# Altium PCB PCB1.PcbDoc (part 5 of 5)
Units mm, origin at the board's own origin, x right, y up, seen from the top; angles counter-clockwise.
Board outline 160 x 50 mm, 6 copper layers (Top Layer, Layer 1, Top Middle Layer, Bottom Middle Layer, Layer 2, Bottom Layer), stack 0.885 mm thick; 337 components, 281 nets, 1269 pads, 489 vias.
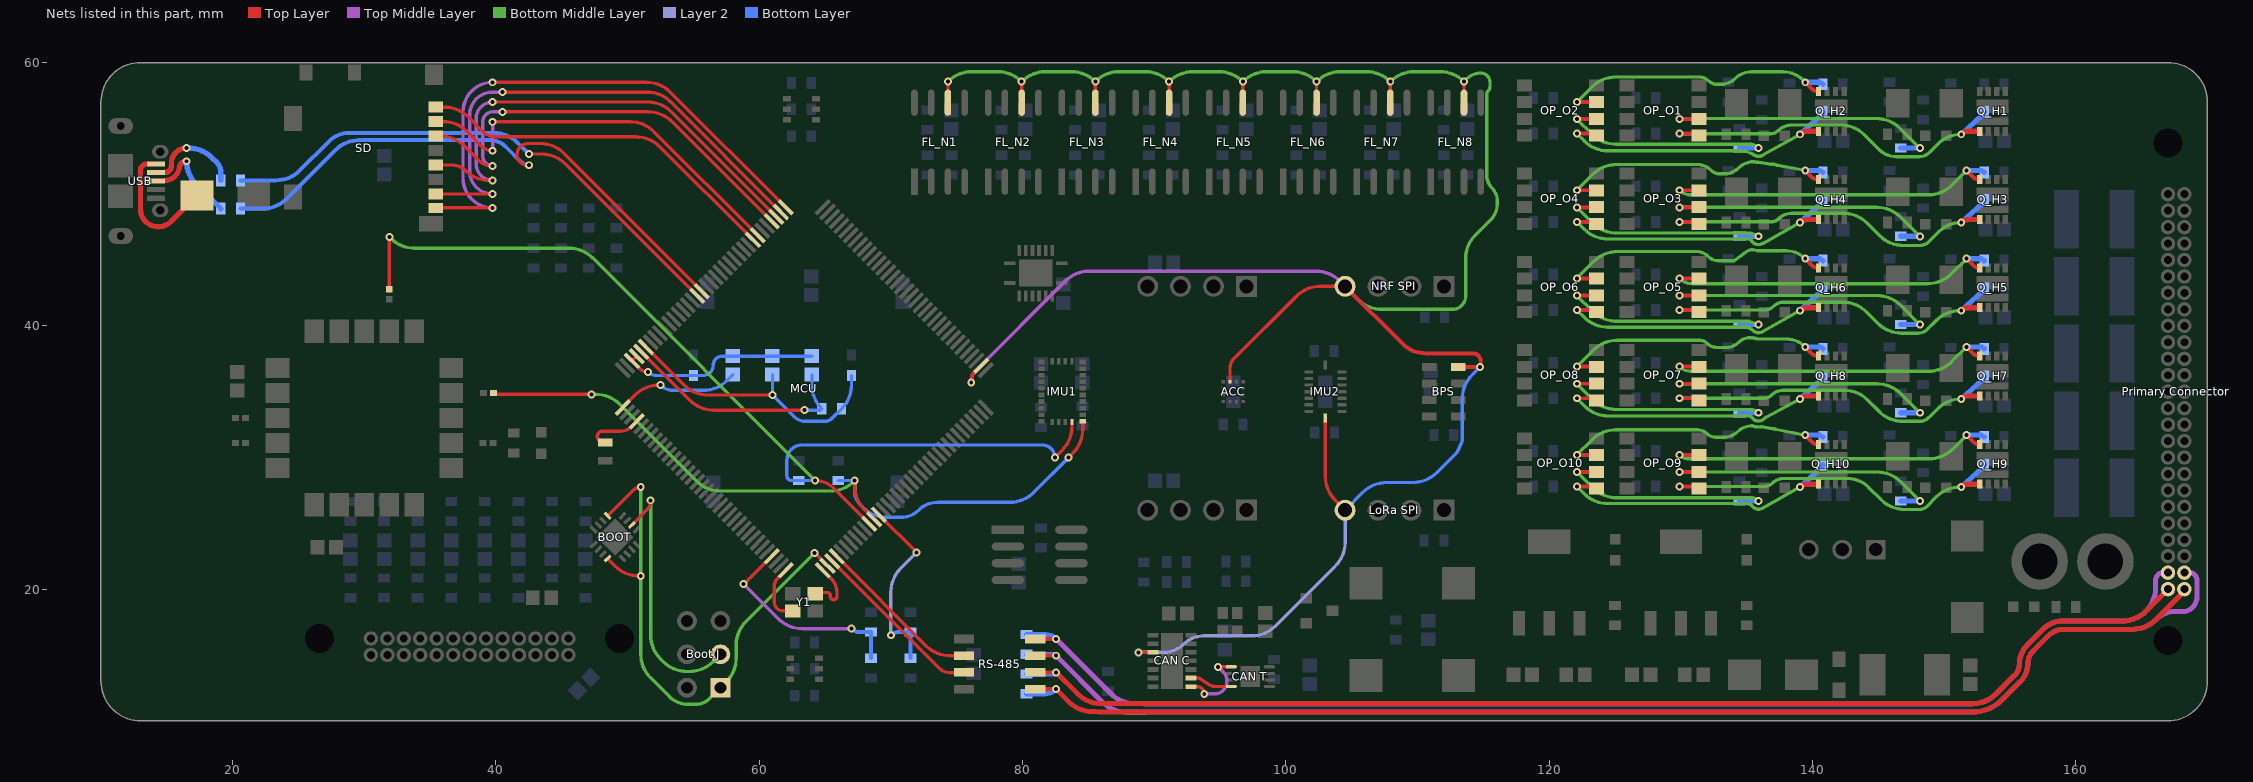
[diagram p9: the nets of this part, all layers, seen from the top]

## Via types
v1: diameter 0.6, hole 0.3, Top Layer to Bottom Layer, 440 vias
v2: diameter 1, hole 0.5, Top Layer to Bottom Layer, 25 vias
v3: diameter 0.8, hole 0.4, Top Layer to Bottom Layer, 12 vias
v4: diameter 6, hole 3.2, Top Layer to Bottom Layer, 5 vias
v5: diameter 0.5, hole 0.3, Top Layer to Bottom Layer, 4 vias
v6: diameter 1.4, hole 0.7, Top Layer to Bottom Layer, 2 vias
v7: diameter 1, hole 0.6, Top Layer to Bottom Layer, 1 vias

## Nets (pads, with @x,y where several pads share a name; then routed paths per layer and width w, separated by ;. In a path a pad name is that pad's centre, name@x,y a point inside that pad or via, vN(x,y) a via of type N, cw(c..) or ccw(c..) an arc to the next point about the centre after c; other vN are vias at no path point) (continued)
OP1L2: OP_O2.7 Q_H2.8 R6_H2.2 | length 22.8
  Top Layer w0.3: v1(122.1,57) 123.565,57 OP_O2.7@123.58,56.985 ; v1(139.45,58.5) 139.938,58.012 ccw(c140.45,58.524) Q_H2.8@140.45,57.8
  Bottom Middle Layer w0.254: v1(122.1,57) 123.256,58.156 cw(c125.052,56.36) 125.052,58.9 131.446,58.9 cw(c131.446,58.046) 132.05,58.65 ccw(c132.774,59.374) 132.774,58.35 133.064,58.35 ccw(c133.064,59.886) 134.15,58.8 cw(c135.357,57.593) 135.357,59.3 137.75,59.3 cw(c137.75,57.127) 139.286,58.664 v1(139.45,58.5)
  Bottom Layer w0.4: v1(139.45,58.5) 140.577,58.5 R6_H2.2@140.8,58.35
OP1L3: OP_O3.7 Q_H3.8 R6_H3.2 | length 26.7
  Top Layer w0.3: v1(129.9,50.3) 131.365,50.3 OP_O3.7@131.38,50.285 ; v1(151.7,51.8) 152.188,51.312 ccw(c152.7,51.824) Q_H3.8@152.7,51.1
  Bottom Middle Layer w0.254: v1(129.9,50.3) ccw(c130.745,51.145) 130.745,49.95 148.798,49.95 ccw(c148.798,52.49) 150.594,50.694 v1(151.7,51.8)
  Bottom Layer w0.4: v1(151.7,51.8) 152.827,51.8 R6_H3.2@153.05,51.65
OP1L4: OP_O4.7 Q_H4.8 R6_H4.2 | length 22.7
  Top Layer w0.3: v1(122.1,50.3) 123.565,50.3 OP_O4.7@123.58,50.285 ; v1(139.45,51.8) 139.938,51.312 ccw(c140.45,51.824) Q_H4.8@140.45,51.1
  Bottom Middle Layer w0.254: v1(122.1,50.3) 123.306,51.506 cw(c125.102,49.71) 125.102,52.25 131.284,52.25 cw(c131.284,50.884) 132.25,51.85 ccw(c132.974,52.574) 132.974,51.55 133.314,51.55 ccw(c133.314,53.086) 134.4,52 cw(c135.486,50.914) 135.089,52.398 ccw(c135.022,52.643) 135.122,52.409 cw(c135.45,51.65) 135.697,52.439 ccw(c135.771,52.682) 135.752,52.429 135.874,52.42 cw(c135.854,52.166) 135.893,52.417 136.832,52.27 ccw(c136.87,52.521) 136.906,52.27 cw(c137,51.65) 137.281,52.21 ccw(c137.393,52.438) 137.346,52.189 v1(139.45,51.8)
  Bottom Layer w0.4: v1(139.45,51.8) 140.577,51.8 R6_H4.2@140.8,51.65
OP1L5: OP_O5.7 Q_H5.8 R6_H5.2 | length 26.7
  Top Layer w0.3: v1(129.9,43.6) 131.365,43.6 OP_O5.7@131.38,43.585 ; v1(151.7,45.1) 152.188,44.612 ccw(c152.7,45.124) Q_H5.8@152.7,44.4
  Bottom Middle Layer w0.254: v1(129.9,43.6) ccw(c130.866,44.566) 130.866,43.2 148.748,43.2 ccw(c148.748,45.74) 150.544,43.944 v1(151.7,45.1)
  Bottom Layer w0.4: v1(151.7,45.1) 152.827,45.1 R6_H5.2@153.05,44.95
OP1L6: OP_O6.7 Q_H6.8 R6_H6.2 | length 22.8
  Top Layer w0.3: v1(122.1,43.6) 123.565,43.6 OP_O6.7@123.58,43.585 ; v1(139.45,45.1) 139.938,44.612 ccw(c140.45,45.124) Q_H6.8@140.45,44.4
  Bottom Middle Layer w0.254: v1(122.1,43.6) 123.402,44.902 cw(c125.198,43.106) 125.198,45.646 131.23,45.646 cw(c131.229,45.392) 131.248,45.645 cw(c131.134,44.284) 132.1,45.25 ccw(c132.824,45.974) 132.824,44.95 134.05,44.95 134.952,45.61 cw(c135.45,44.95) 135.758,45.718 ccw(c135.851,45.954) 135.85,45.7 138.001,45.7 cw(c138.001,43.651) v1@139.45,45.1
  Bottom Layer w0.4: v1(139.45,45.1) 140.577,45.1 R6_H6.2@140.8,44.95
OP1L7: OP_O7.7 Q_H7.8 R6_H7.2 | length 26.7
  Top Layer w0.3: v1(129.9,36.9) 131.365,36.9 OP_O7.7@131.38,36.885 ; v1(151.7,38.4) 152.188,37.912 ccw(c152.7,38.424) Q_H7.8@152.7,37.7
  Bottom Middle Layer w0.254: v1(129.9,36.9) ccw(c130.745,37.745) 130.745,36.55 148.798,36.55 ccw(c148.798,39.09) 150.594,37.294 v1(151.7,38.4)
  Bottom Layer w0.4: v1(151.7,38.4) 152.827,38.4 R6_H7.2@153.05,38.25
OP1L8: OP_O8.7 Q_H8.8 R6_H8.2 | length 22.7
  Top Layer w0.3: v1(122.1,36.9) 123.565,36.9 OP_O8.7@123.58,36.885 ; v1(139.45,38.4) 139.938,37.912 ccw(c140.45,38.424) Q_H8.8@140.45,37.7
  Bottom Middle Layer w0.254: v1(122.1,36.9) 123.356,38.156 cw(c125.152,36.36) 125.152,38.9 131.467,38.9 cw(c131.467,38.217) 131.95,38.7 ccw(c132.795,39.545) 132.795,38.35 133.434,38.35 ccw(c133.434,39.716) 134.4,38.75 cw(c135.245,37.905) 135.245,39.1 135.45,39.1 135.581,39.067 ccw(c135.642,39.314) 135.595,39.064 cw(c135.45,38.25) 135.758,39.018 ccw(c135.851,39.254) 135.85,39 138.001,39 cw(c138.001,36.951) v1@139.45,38.4
  Bottom Layer w0.4: v1(139.45,38.4) 140.577,38.4 R6_H8.2@140.8,38.25
OP1L9: OP_O9.7 Q_H9.8 R6_H9.2 | length 26.7
  Top Layer w0.3: v1(129.9,30.2) 131.365,30.2 OP_O9.7@131.38,30.185 ; v1(151.7,31.7) 152.188,31.212 ccw(c152.7,31.724) Q_H9.8@152.7,31
  Bottom Middle Layer w0.254: v1(129.9,30.2) ccw(c130.624,30.924) 130.624,29.9 148.848,29.9 ccw(c148.848,32.44) 150.644,30.644 v1(151.7,31.7)
  Bottom Layer w0.4: v1(151.7,31.7) 152.827,31.7 R6_H9.2@153.05,31.55
OP1L10: OP_O10.7 Q_H10.8 R6_H10.2 | length 22.6
  Top Layer w0.3: v1(122.1,30.2) 123.565,30.2 OP_O10.7@123.58,30.185 ; v1(139.45,31.7) 139.938,31.212 ccw(c140.45,31.724) Q_H10.8@140.45,31
  Bottom Middle Layer w0.254: v1(122.1,30.2) 123.256,31.356 cw(c125.052,29.56) 125.052,32.1 131.276,32.1 cw(c131.276,31.076) 132,31.8 ccw(c132.604,32.404) 132.604,31.55 133.334,31.55 ccw(c133.334,32.916) 134.3,31.95 cw(c135.386,30.864) 135.386,32.4 135.443,32.4 cw(c135.442,32.146) 135.528,32.385 ccw(c135.9,33.4) 136.085,32.335 cw(c136.13,32.085) 136.179,32.334 136.968,32.181 ccw(c137.014,32.431) 137.009,32.177 cw(c137,31.55) 137.226,32.135 ccw(c137.316,32.372) 137.265,32.123 v1(139.45,31.7)
  Bottom Layer w0.4: v1(139.45,31.7) 140.577,31.7 R6_H10.2@140.8,31.55
OP2H1: OP_O1.6 R3_H1.1 | length 22
  Top Layer w0.3: v1(129.9,55.7) 131.365,55.7 OP_O1.6@131.38,55.715
  Bottom Middle Layer w0.254: v1(129.9,55.7) cw(c130.021,55.579) 130.021,55.75 144.848,55.75 cw(c144.848,53.21) 146.644,55.006 v1(148.15,53.5)
  Bottom Layer w0.4: R3_H1.1@146.7,53.5 v1(148.15,53.5)
OP2H2: OP_O2.6 R3_H2.1 | length 17.5
  Top Layer w0.3: v1(122.1,55.7) 123.565,55.7 OP_O2.6@123.58,55.715
  Bottom Middle Layer w0.254: v1(122.1,55.7) 123.256,54.544 ccw(c125.052,56.34) 125.052,53.8 135.186,53.8 cw(c135.186,52.789) v1(135.901,53.504)
  Bottom Layer w0.4: R3_H2.1@134.45,53.5 134.801,53.5 ccw(c134.801,53.9) 134.802,53.5 v1(135.901,53.504)
OP2H3: OP_O3.6 R3_H3.1 | length 22
  Top Layer w0.3: v1(129.9,49) 131.365,49 OP_O3.6@131.38,49.015
  Bottom Middle Layer w0.254: v1(129.9,49) 144.898,49 cw(c144.898,46.46) 146.694,48.256 v1(148.15,46.8)
  Bottom Layer w0.4: R3_H3.1@146.7,46.8 v1(148.15,46.8)
OP2H4: OP_O4.6 R3_H4.1 | length 17.5
  Top Layer w0.3: v1(122.1,49) 123.565,49 OP_O4.6@123.58,49.015
  Bottom Middle Layer w0.254: v1(122.1,49) 123.306,47.794 ccw(c125.102,49.59) 124.952,47.054 ; 124.953,47.054 ccw(c124.967,47.308) 124.965,47.054 135.109,47.054 135.145,47.054 cw(c135.144,46.346) 135.409,47.003 v1(135.901,46.804)
  Bottom Layer w0.4: R3_H4.1@134.45,46.8 134.801,46.8 ccw(c134.801,47.2) 134.802,46.8 v1(135.901,46.804)
OP2H5: OP_O5.6 R3_H5.1 | length 22
  Top Layer w0.3: v1(129.9,42.3) 131.365,42.3 OP_O5.6@131.38,42.315
  Bottom Middle Layer w0.254: v1(129.9,42.3) 144.898,42.3 cw(c144.898,39.76) 146.694,41.556 v1(148.15,40.1)
  Bottom Layer w0.4: R3_H5.1@146.7,40.1 v1(148.15,40.1)
OP2H6: OP_O6.6 R3_H6.1 | length 17.5
  Top Layer w0.3: v1(122.1,42.3) 123.565,42.3 OP_O6.6@123.58,42.315
  Bottom Middle Layer w0.254: v1(122.1,42.3) 123.306,41.094 ccw(c125.102,42.89) 124.952,40.354 124.954,40.354 ccw(c124.967,40.608) 124.965,40.354 135.109,40.354 cw(c135.109,40.1) 135.189,40.341 v1(135.901,40.104)
  Bottom Layer w0.4: R3_H6.1@134.45,40.1 134.801,40.1 ccw(c134.801,40.5) 134.802,40.1 v1(135.901,40.104)
OP2H7: OP_O7.6 R3_H7.1 | length 22
  Top Layer w0.3: v1(129.9,35.6) 131.365,35.6 OP_O7.6@131.38,35.615
  Bottom Middle Layer w0.254: v1(129.9,35.6) 144.898,35.6 cw(c144.898,33.06) 146.694,34.856 v1(148.15,33.4)
  Bottom Layer w0.4: R3_H7.1@146.7,33.4 v1(148.15,33.4)
OP2H8: OP_O8.6 R3_H8.1 | length 17.5
  Top Layer w0.3: v1(122.1,35.6) 123.565,35.6 OP_O8.6@123.58,35.615
  Bottom Middle Layer w0.254: v1(122.1,35.6) 123.306,34.394 ccw(c125.102,36.19) 125.102,33.65 135.296,33.65 cw(c135.296,32.796) v1(135.9,33.4)
  Bottom Layer w0.4: R3_H8.1@134.45,33.4 v1(135.9,33.4)
OP2H9: OP_O9.6 R3_H9.1 | length 22
  Top Layer w0.3: v1(129.9,28.9) 131.365,28.9 OP_O9.6@131.38,28.915
  Bottom Middle Layer w0.254: v1(129.9,28.9) 144.898,28.9 cw(c144.898,26.36) 146.694,28.156 v1(148.15,26.7)
  Bottom Layer w0.4: R3_H9.1@146.7,26.7 v1(148.15,26.7)
OP2H10: OP_O10.6 R3_H10.1 | length 17.5
  Top Layer w0.3: v1(122.1,28.9) 123.565,28.9 OP_O10.6@123.58,28.915
  Bottom Middle Layer w0.254: v1(122.1,28.9) 123.307,27.693 ccw(c125.102,29.49) 124.954,26.954 ccw(c124.967,27.208) 124.966,26.954 135.289,26.954 cw(c135.289,26.091) v1(135.899,26.701)
  Bottom Layer w0.4: R3_H10.1@134.45,26.7 134.7,26.701 v1(135.899,26.701)
OP2L1: OP_O1.5 Q_H1.1 R5_H1.2 | length 28.4
  Top Layer w0.3: v1(129.9,54.6) 131.225,54.6 OP_O1.5@131.38,54.445
  Top Layer w0.4: v1(151.3,54.55) cw(c151.849,54.001) 151.849,54.777 Q_H1.1@152.7,54.777
  Bottom Middle Layer w0.254: v1(129.9,54.6) 136.867,54.6 ccw(c136.867,55.283) 137.35,54.8 cw(c138.436,53.714) 138.436,55.25 142.148,55.25 cw(c142.148,52.71) 143.944,54.506 145.07,53.38 ccw(c146.35,54.661) 146.35,52.85 148.126,52.85 ccw(c148.126,53.874) 148.85,53.15 149.508,53.808 cw(c151.3,52.015) v1(151.3,54.55)
  Bottom Layer w0.4: v1(151.3,54.55) 152.9,56 R5_H1.2@153.05,56.25
OP2L2: OP_O2.5 Q_H2.1 R5_H2.2 | length 23.3
  Top Layer w0.3: v1(122.1,54.6) 123.425,54.6 OP_O2.5@123.58,54.445
  Top Layer w0.4: v1(139.05,54.55) cw(c139.599,54.001) 139.599,54.777 Q_H2.1@140.45,54.777
  Bottom Middle Layer w0.254: v1(122.1,54.6) 122.656,54.044 ccw(c124.452,55.84) 124.452,53.3 134.4,53.3 cw(c134.4,51.007) 135.493,53.023 cw(c135.372,52.8) 135.524,53.003 ccw(c135.901,53.504) 136.218,52.963 cw(c136.345,52.743) 136.222,52.965 v1(139.05,54.55)
  Bottom Layer w0.4: v1(139.05,54.55) 140.65,56 R5_H2.2@140.8,56.25
OP2L3: OP_O3.5 Q_H3.1 R5_H3.2 | length 28.4
  Top Layer w0.3: v1(129.9,47.9) 131.225,47.9 OP_O3.5@131.38,47.745
  Top Layer w0.4: v1(151.3,47.85) cw(c151.849,47.301) 151.849,48.077 Q_H3.1@152.7,48.077
  Bottom Middle Layer w0.254: v1(129.9,47.9) 136.846,47.9 ccw(c136.846,48.754) 137.45,48.15 cw(c138.406,47.194) 138.406,48.546 142.484,48.546 cw(c142.483,48.292) 142.497,48.546 cw(c142.348,46.01) 144.144,47.806 145.106,46.844 ccw(c146.902,48.64) 146.902,46.1 148.15,46.1 ccw(c148.15,47.066) 148.833,46.383 149.593,47.143 cw(c151.3,45.436) v1(151.3,47.85)
  Bottom Layer w0.4: v1(151.3,47.85) 152.9,49.3 R5_H3.2@153.05,49.55
OP2L4: OP_O4.5 Q_H4.1 R5_H4.2 | length 23.4
  Top Layer w0.3: v1(122.1,47.9) 123.425,47.9 OP_O4.5@123.58,47.745
  Top Layer w0.4: v1(139.05,47.85) cw(c139.599,47.301) 139.599,48.077 Q_H4.1@140.45,48.077
  Bottom Middle Layer w0.254: v1(122.1,47.9) 122.656,47.344 ccw(c124.452,49.14) 124.452,46.6 135.145,46.6 ; 135.146,46.6 cw(c135.144,46.346) 135.349,46.496 135.397,46.431 ccw(c135.901,46.804) 136.155,46.231 136.196,46.249 ccw(c136.094,46.482) 136.228,46.265 cw(c136.361,46.049) 136.237,46.271 v1(139.05,47.85)
  Bottom Layer w0.4: v1(139.05,47.85) 140.65,49.3 R5_H4.2@140.8,49.55
OP2L5: OP_O5.5 Q_H5.1 R5_H5.2 | length 28.3
  Top Layer w0.3: v1(129.9,41.2) 131.225,41.2 OP_O5.5@131.38,41.045
  Top Layer w0.4: v1(151.3,41.15) cw(c151.849,40.601) 151.849,41.377 Q_H5.1@152.7,41.377
  Bottom Middle Layer w0.254: v1(129.9,41.2) 136.396,41.2 ccw(c136.396,42.054) 137,41.45 cw(c137.845,40.605) 137.845,41.8 142.298,41.8 cw(c142.298,39.26) 144.094,41.056 144.956,40.194 ccw(c146.752,41.99) 146.752,39.45 148.05,39.45 ccw(c148.05,40.416) 148.733,39.733 149.406,40.406 cw(c151.202,38.61) 151.202,41.15 v1(151.3,41.15)
  Bottom Layer w0.4: v1(151.3,41.15) 152.9,42.6 R5_H5.2@153.05,42.85
OP2L6: OP_O6.5 Q_H6.1 R5_H6.2 | length 23.4
  Top Layer w0.3: v1(122.1,41.2) 123.425,41.2 OP_O6.5@123.58,41.045
  Top Layer w0.4: v1(139.05,41.15) cw(c139.599,40.601) 139.599,41.377 Q_H6.1@140.45,41.377
  Bottom Middle Layer w0.254: v1(122.1,41.2) 122.656,40.644 ccw(c124.452,42.44) 124.452,39.9 134.714,39.9 cw(c134.714,38.364) 135.317,39.776 ; 135.318,39.776 cw(c135.216,39.543) 135.397,39.721 135.455,39.663 ccw(c135.901,40.104) 136.13,39.52 136.175,39.538 ccw(c136.082,39.774) 136.208,39.554 136.216,39.559 cw(c136.342,39.338) 136.219,39.56 v1(139.05,41.15)
  Bottom Layer w0.4: v1(139.05,41.15) 140.65,42.6 R5_H6.2@140.8,42.85
OP2L7: OP_O7.5 Q_H7.1 R5_H7.2 | length 28.3
  Top Layer w0.3: v1(129.9,34.5) 131.225,34.5 OP_O7.5@131.38,34.345
  Top Layer w0.4: v1(151.3,34.45) cw(c151.849,33.901) 151.849,34.677 Q_H7.1@152.7,34.677
  Bottom Middle Layer w0.254: v1(129.9,34.5) 136.296,34.5 ccw(c136.296,35.354) 136.9,34.75 cw(c137.745,33.905) 137.745,35.1 142.46,35.1 cw(c142.46,32.71) 144.15,34.4 145.056,33.494 ccw(c146.852,35.29) 146.852,32.75 148.15,32.75 ccw(c148.15,33.716) 148.833,33.033 149.508,33.708 cw(c151.3,31.915) v1(151.3,34.45)
  Bottom Layer w0.4: v1(151.3,34.45) 152.9,35.9 R5_H7.2@153.05,36.15
OP2L8: OP_O8.5 Q_H8.1 R5_H8.2 | length 23.4
  Top Layer w0.3: v1(122.1,34.5) 123.425,34.5 OP_O8.5@123.58,34.345
  Top Layer w0.4: v1(139.05,34.45) cw(c139.599,33.901) 139.599,34.677 Q_H8.1@140.45,34.677
  Bottom Middle Layer w0.254: v1(122.1,34.5) 122.707,33.893 ccw(c124.502,35.69) 124.502,33.15 135.179,33.15 cw(c135.177,32.896) 135.385,33.042 ccw(c135.9,33.4) 136.379,32.996 cw(c136.573,32.831) 136.453,33.055 v1(139.05,34.45)
  Bottom Layer w0.4: v1(139.05,34.45) 140.65,35.9 R5_H8.2@140.8,36.15
OP2L9: OP_O9.5 Q_H9.1 R5_H9.2 | length 28.3
  Top Layer w0.3: v1(129.9,27.8) 131.225,27.8 OP_O9.5@131.38,27.645
  Top Layer w0.4: v1(151.3,27.75) cw(c151.849,27.201) 151.849,27.977 Q_H9.1@152.7,27.977
  Bottom Middle Layer w0.254: v1(129.9,27.8) 136.346,27.8 ccw(c136.346,28.654) 136.95,28.05 cw(c137.795,27.205) 137.795,28.4 142.681,28.4 cw(c142.681,26.181) 144.25,27.75 145.206,26.794 ccw(c147.002,28.59) 147.002,26.05 148.15,26.05 ccw(c148.15,26.774) 148.662,26.262 149.406,27.006 cw(c151.202,25.21) 151.202,27.75 v1(151.3,27.75)
  Bottom Layer w0.4: v1(151.3,27.75) 152.9,29.2 R5_H9.2@153.05,29.45
OP2L10: OP_O10.5 Q_H10.1 R5_H10.2 | length 23.4
  Top Layer w0.3: v1(122.1,27.8) 123.425,27.8 OP_O10.5@123.58,27.645
  Top Layer w0.4: v1(139.05,27.75) cw(c139.599,27.201) 139.599,27.977 Q_H10.1@140.45,27.977
  Bottom Middle Layer w0.254: v1(122.1,27.8) 122.656,27.244 ccw(c124.452,29.04) 124.452,26.5 134.967,26.5 cw(c134.967,25.817) 135.312,26.406 cw(c135.183,26.187) 135.39,26.336 ccw(c135.9,26.7) 136.157,26.128 ccw(c136.052,26.359) 136.175,26.137 v1(139.05,27.75)
  Bottom Layer w0.4: v1(139.05,27.75) 140.65,29.2 R5_H10.2@140.8,29.45
Prog: "Boot J.3" BOOT.10 | length 19.9
  Top Layer w0.254: BOOT.10@50.323,24.869 51.429,25.976 ccw(c50.655,26.75) v1(51.75,26.75)
  Bottom Middle Layer w0.254: v1(51.75,26.75) 51.75,16.502 ccw(c54.29,16.502) 52.494,14.706 52.708,14.492 ccw(c54.5,16.285) 54.5,13.75 54.698,13.75 ccw(c54.698,16.29) 56.494,14.494 57.05,15.05
Reset: "Boot J.1" BOOT.4 BOOT.13 MCU.74 | length 41.9
  Top Layer w0.254: BOOT.4@48.484,22.324 49.064,21.744 ccw(c50.86,23.54) 50.86,21 v1(51,21) ; BOOT.13@48.484,25.576 50.416,27.508 cw(c51,26.924) v1(51,27.75) ; v1(64.2,22.75) 64.204,22.75 65.178,21.776 MCU.74@65.182,21.776
  Bottom Middle Layer w0.254: v1(51,27.75) v1(51,21) 51,15.052 ccw(c53.54,15.052) 51.744,13.256 53.15,11.85 ccw(c54.599,13.299) 54.599,11.25 55.15,11.25 ccw(c55.15,12.795) 56.242,11.702 57.05,12.51 57.506,12.966 ccw(c55.71,14.762) 58.25,14.762 58.25,15.748 cw(c60.79,15.748) 58.994,17.544 v1(64.2,22.75)
"RS485 D": MCU.75 RS-485.3 | length 13.5
  Top Layer w0.254: MCU.75@65.536,22.13 65.976,21.689 73.602,14.064 73.673,13.993 ccw(c74.5,14.82) 74.498,13.65 75.478,13.65 ccw(c75.478,13.735) RS-485.3@75.538,13.675
"RS485 R": MCU.76 RS-485.2 | length 12.7
  Top Layer w0.254: MCU.76@65.889,22.484 72.696,15.676 ccw(c74.45,17.43) 74.45,14.95 75.533,14.95 RS-485.2@75.538,14.945
RS485_RX_N: "Primary Connector.50" R306.2 RS-485.5 | length 94.5
  Top Layer w0.3: RS-485.5@80.962,12.405 v1(82.55,12.405)
  Top Layer w0.381: v1(82.55,12.405) 83.512,11.443 ccw(c85.307,13.24) 85.307,10.7 85.481,10.7 cw(c85.479,10.319) 85.531,10.696 ccw(c85.977,13.84) 85.977,10.665 152.148,10.665 ccw(c152.148,13.84) 154.393,11.595 155.821,13.023 ccw(c154.544,14.3) 156.35,14.3 cw(c157.799,14.3) 156.774,15.324 157.951,16.501 cw(c159.035,15.417) 159.035,16.95 164.298,16.95 ccw(c164.298,19.49) 166.094,17.694 168.144,19.744 ccw(c167.888,20) 168.25,20
  Bottom Layer w0.381: R306.2@80.3,12.05 81.693,12.05 ccw(c81.693,13.262) v1(82.55,12.405)
RS485_RX_P: "Primary Connector.25" R306.1 RS-485.6 | length 93.1
  Top Layer w0.3: RS-485.6@80.962,13.675 v1(82.55,13.675)
  Top Layer w0.381: v1(82.55,13.675) 84.181,12.044 ccw(c85.977,13.84) 85.977,11.3 152.148,11.3 ccw(c152.148,13.84) 153.944,12.044 155.372,13.472 ccw(c154.544,14.3) 155.715,14.3 cw(c157.799,14.3) 156.325,15.773 157.502,16.95 cw(c159.035,15.417) 159.035,17.585 163.533,17.585 ccw(c163.533,20.125) 165.329,18.329 167,20
  Bottom Layer w0.381: R306.1@80.3,13.55 82.248,13.55 ccw(c82.248,13.976) v1(82.55,13.675)
RS485_TX_N: "Primary Connector.49" R305.1 RS-485.7 | length 98.8
  Top Layer w0.3: RS-485.7@80.962,14.945 v1(82.55,14.945)
  Top Middle Layer w0.381: v1(82.55,14.945) 86.101,11.394 ccw(c87.897,13.19) 87.897,10.65 89.3,10.65 89.307,10.657 152.14,10.657 ccw(c152.14,13.832) 154.385,11.587 155.821,13.023 ccw(c154.544,14.3) 156.35,14.3 cw(c157.799,14.3) 156.774,15.324 157.951,16.501 cw(c159.035,15.417) 159.035,16.95 164.298,16.95 ccw(c164.298,19.49) 166.094,17.694 cw(c167.557,16.231) 167.557,18.3 168.1,18.3 ccw(c168.1,19.4) 169.2,19.4 169.2,20.7 ccw(c168.65,20.7) 168.65,21.25 168.25,21.25
  Bottom Layer w0.381: R305.1@80.3,15.05 82.296,15.05 cw(c82.296,14.691) v1(82.55,14.945)
RS485_TX_P: "Primary Connector.24" R305.2 RS-485.8 | length 95.7
  Top Layer w0.3: RS-485.8@80.962,16.215 v1(82.55,16.215)
  Top Middle Layer w0.381: v1(82.55,16.215) 86.721,12.044 ccw(c88.517,13.84) 88.517,11.3 89.25,11.3 89.257,11.292 152.14,11.292 ccw(c152.14,13.832) 153.936,12.036 155.372,13.472 ccw(c154.544,14.3) 155.715,14.3 cw(c157.799,14.3) 156.325,15.773 157.502,16.95 cw(c159.035,15.417) 159.035,17.585 163.533,17.585 ccw(c163.533,20.125) 165.329,18.329 ccw(c163.588,20.07) 166.05,20.07 166.05,20.65 cw(c166.65,20.65) 166.65,21.25 167,21.25
  Bottom Layer w0.381: R305.2@80.3,16.55 81.741,16.55 cw(c81.741,15.406) v1(82.55,16.215)
RXCAN: "CAN C.2" "CAN T.4" | length 3.2
  Top Layer w0.254: 92.8,13.25 93.35,13.25 cw(c93.35,12.996) 93.492,13.207 94.2,12.73 ccw(c94.55,13.25) 94.539,12.623 95.85,12.6
SCL: FB6.1 IMU1.19 MCU.83 R303.2 | length 77.4
  Top Layer w0.254: FB6.1@31.9,42.779 v1(31.9,46.75) ; v1(64.25,28.25) cw(c64.25,26.265) 65.654,27.668 MCU.83@68.364,24.958 ; v1(82.45,30) 83.006,30.556 ccw(c81.21,32.352) 83.75,32.352 IMU1.19@83.75,32.688
  Bottom Middle Layer w0.254: v1(31.9,46.75) 32.008,46.642 ccw(c33.8,48.435) 33.8,45.9 45.548,45.9 cw(c45.548,43.36) 47.344,45.156 v1(64.25,28.25)
  Bottom Layer w0.254: v1(64.25,28.25) R303.2@63,28.25 62.45,28.25 cw(c62.45,28.6) 62.1,28.6 62.1,29.8 cw(c63.25,29.8) 63.25,30.95 81.5,30.95 cw(c81.5,30) v1(82.45,30)
SCLK: "CAN C.10" "LoRa SPI.4" "NRF SPI.4" ACC.12 BPS.8 FL_N1.6 FL_N2.6 FL_N3.6 FL_N4.6 FL_N5.6 FL_N6.6 FL_N7.6 FL_N8.6 IMU2.8 MCU.110 | length 193.8
  Top Layer w0.254: FL_N1.6@74.33,56.95 v1(74.33,58.55) ; v1(76.1,35.7) 76.1,36.05 cw(c76.535,36.05) 76.227,36.357 MCU.110@76.849,36.979 ; FL_N2.6@79.93,56.95 v1(79.93,58.55) ; FL_N3.6@85.53,56.95 v1(85.53,58.55) ; v1(88.8,15.2) 89.9,15.2 ; FL_N4.6@91.13,56.95 v1(91.13,58.55) ; ACC.12@95.75,35.762 95.75,36.776 cw(c96.774,36.776) 96.05,37.5 100.806,42.256 cw(c102.602,40.46) 102.602,43 104.5,43 ; FL_N5.6@96.73,56.95 v1(96.73,58.55) ; FL_N6.6@102.33,56.95 v1(102.33,58.55) ; IMU2.8@103,32.987 103,28.552 ccw(c105.54,28.552) 103.744,26.756 104.5,26 ; FL_N7.6@107.93,56.95 v1(107.93,58.55) ; FL_N8.6@113.53,56.95 v1(113.53,58.55)
  Top Layer w0.3: 104.5,43 108.844,38.656 ccw(c110.64,40.452) 110.64,37.912 114.188,37.912 cw(c114.188,37.3) 114.8,37.3 114.8,36.925 cw(c114.75,36.925) v1(114.75,36.875) BPS.8@113.1,36.875
  Top Middle Layer w0.254: v1(76.1,35.7) cw(c77.428,35.7) 76.489,36.639 83.256,43.406 cw(c85.052,41.61) 85.052,44.15 102.298,44.15 cw(c102.298,41.61) 104.094,43.406 104.5,43
  Bottom Middle Layer w0.254: v1(74.33,58.55) 74.336,58.556 cw(c76.132,56.76) 76.132,59.3 78.128,59.3 cw(c78.128,56.76) 79.924,58.556 v1(79.93,58.55) 79.936,58.556 cw(c81.732,56.76) 81.732,59.3 83.728,59.3 cw(c83.728,56.76) 85.524,58.556 v1(85.53,58.55) 85.559,58.579 cw(c87.3,56.837) 87.3,59.3 89.328,59.3 cw(c89.328,56.76) 91.124,58.556 v1(91.13,58.55) 91.136,58.556 cw(c92.932,56.76) 92.932,59.3 94.928,59.3 cw(c94.928,56.76) 96.724,58.556 v1(96.73,58.55) 96.736,58.556 cw(c98.532,56.76) 98.532,59.3 100.528,59.3 cw(c100.528,56.76) 102.324,58.556 v1(102.33,58.55) 102.336,58.556 cw(c104.132,56.76) 104.132,59.3 106.128,59.3 cw(c106.128,56.76) 107.924,58.556 v1(107.93,58.55) 107.936,58.556 cw(c109.732,56.76) 109.732,59.3 111.728,59.3 cw(c111.728,56.76) 113.524,58.556 v1(113.53,58.55) 113.742,58.762 cw(c114.8,57.703) 114.8,59.2 cw(c114.8,58.5) 115.5,58.5 115.5,58.141 cw(c115.159,58.141) 115.4,57.9 ccw(c115.762,57.538) 115.258,57.626 ccw(c115.508,57.583) 115.254,57.584 115.254,51.477 ccw(c116.777,51.477) 115.7,50.4 cw(c114.855,49.555) 116.05,49.555 116.05,49.25 cw(c114.36,49.25) 115.555,48.055 114.394,46.894 ccw(c116.19,45.098) 113.65,45.098 113.65,42.25 cw(c112.65,42.25) 112.65,41.25 107.302,41.25 cw(c107.302,43.79) 105.506,41.994 104.5,43
  Layer 2 w0.254: v1(88.8,15.2) 90.752,15.2 ccw(c90.752,17.248) 92.2,15.8 cw(c93.769,14.231) 93.769,16.45 97.398,16.45 ccw(c97.398,18.99) 99.194,17.194 103.756,21.756 ccw(c101.96,23.552) 104.5,23.552 104.5,26
  Bottom Layer w0.254: 104.5,26 105.856,27.356 cw(c107.652,25.56) 107.652,28.1 109.648,28.1 ccw(c109.648,30.64) 111.444,28.844 113,30.4 ccw(c112.82,30.58) 113.052,30.474 113.352,31.135 ccw(c113.1,31.25) 113.372,31.197 113.395,31.317 ccw(c113.146,31.366) 113.4,31.366 113.4,34.473 cw(c115.94,34.473) 114.144,36.269 v1(114.75,36.875)
"SD CLK": MCU.3 SD.5 | length 37.1
  Top Layer w0.254: SD.5@35.413,52.213 36.633,52.213 cw(c36.633,50.633) 37.75,51.75 ccw(c39.44,53.44) 39.44,51.05 v1(39.75,51.05) ; v1(39.75,57) 51.534,57 cw(c51.534,54.46) 53.33,56.256 MCU.3@61.293,48.293
  Top Middle Layer w0.254: v1(39.75,51.05) cw(c39.75,52.3) 38.5,52.3 38.5,55.75 cw(c39.75,55.75) v1(39.75,57)
"SD CMD": MCU.4 SD.3 | length 34.6
  Top Layer w0.254: SD.3@35.413,54.413 35.785,54.413 cw(c35.785,51.873) 37.581,53.669 38.64,52.61 ccw(c39.75,53.719) v1(39.75,52.15) ; v1(40.5,56.25) 51.577,56.25 cw(c51.577,53.71) 53.373,55.506 MCU.4@60.939,47.939
  Top Middle Layer w0.254: v1(39.75,52.15) cw(c39.75,52.9) 39,52.9 39,55.5 cw(c39.75,55.5) 39.75,56.25 v1(40.5,56.25)
"SD DAT0": MCU.2 SD.7 | length 39.6
  Top Layer w0.254: SD.7@35.413,50.013 v1(39.75,50.013) ; v1(40.5,57.75) 51.491,57.75 cw(c51.491,55.21) 53.287,57.006 MCU.2@61.646,48.646
  Top Middle Layer w0.254: v1(39.75,50.013) cw(c39.75,51.763) 38,51.763 38,56 cw(c39.75,56) 39.75,57.75 v1(40.5,57.75)
"SD DAT1": MCU.1 SD.8 | length 42.5
  Top Layer w0.254: SD.8@35.413,48.962 v1(39.75,48.962) ; v1(39.75,58.5) 51.448,58.5 cw(c51.448,55.96) 53.244,57.756 MCU.1@62,49
  Top Middle Layer w0.254: v1(39.75,48.962) cw(c39.75,51.212) 37.5,51.212 37.5,56.25 cw(c39.75,56.25) v1(39.75,58.5)
"SD DAT2": MCU.8 SD.1 | length 28
  Top Layer w0.254: SD.1@35.413,56.613 36.085,56.613 cw(c36.085,54.073) 37.881,55.869 38.976,54.774 ccw(c40,55.799) 40,54.35 50.648,54.35 cw(c50.648,51.81) 52.444,53.606 MCU.8@59.525,46.525
"SD DAT3": MCU.7 SD.2 | length 30.9
  Top Layer w0.254: SD.2@35.413,55.512 36.03,55.512 cw(c36.03,53.08) 37.75,54.8 38.896,53.654 ccw(c39.75,54.507) v1(39.75,53.3) ; v1(39.75,55.5) 50.205,55.5 cw(c50.205,52.96) 52.001,54.756 MCU.7@59.879,46.879
  Top Middle Layer w0.254: v1(39.75,53.3) v1(39.75,55.5)
SDA: FB7.1 IMU1.20 MCU.84 R304.1 | length 58
  Top Layer w0.254: FB7.1@39.807,34.9 39.938,34.8 v1(47.25,34.8) ; v1(67.25,28.25) 67.25,27.832 ccw(c69.79,27.832) 67.994,26.036 MCU.84@68.717,25.312 ; v1(83.5,30) 83.819,30.319 ccw(c82.023,32.115) 84.563,32.115 IMU1.20@84.563,32.75
  Bottom Middle Layer w0.254: v1(47.25,34.8) 47.598,34.8 cw(c47.598,32.26) 49.394,34.056 55.256,28.194 ccw(c57.052,29.99) 57.052,27.45 65.398,27.45 ccw(c65.398,29.99) 67.194,28.194 v1(67.25,28.25)
  Bottom Layer w0.254: R304.1@66,28.25 v1(67.25,28.25) 67.25,27.416 ccw(c68.616,27.416) 67.65,26.45 67.906,26.194 ccw(c69.702,27.99) 69.702,25.45 70.772,25.45 ccw(c70.772,27.328) 72.1,26 cw(c73.549,24.551) 73.549,26.6 79.048,26.6 ccw(c79.048,29.14) 80.844,27.344 v1(83.5,30)
TXCAN: "CAN C.1" "CAN T.1" | length 5.9
  Top Layer w0.254: 92.8,12.6 93.25,12.6 cw(c93.25,12.05) v1(93.8,12.05) ; v1(94.85,14.1) 95.85,14.1
  Top Middle Layer w0.254: v1(93.8,12.05) 94.6,12.05 ccw(c94.6,12.966) 95.516,12.966 95.516,13.1 ccw(c94.711,13.1) 95.281,13.669 v1(94.85,14.1)
"USB0 DM": MCU.20 R301.1 | length 40.9
  Top Layer w0.254: v1(42.5,53.05) 43.463,53.05 cw(c43.463,50.51) 45.259,52.306 MCU.20@55.283,42.283
  Bottom Layer w0.3: R301.1@20.6,51.05 23.298,51.05 ccw(c23.298,53.59) 25.094,51.794 27.306,54.006 cw(c28.861,52.451) 28.861,54.65 39.848,54.65 cw(c39.848,52.11) 41.644,53.906 v1(42.5,53.05)
"USB0 DP": MCU.19 R302.1 | length 44.9
  Top Layer w0.254: v1(42.5,52.2) 42.4,52.2 cw(c42.4,53) 41.6,53 cw(c42.45,53) 42.45,53.85 43.37,53.85 cw(c43.37,51.31) 45.166,53.106 MCU.19@55.636,42.636
  Bottom Layer w0.3: R302.1@20.6,48.9 22.298,48.9 ccw(c22.298,51.44) 24.094,49.644 27.806,53.356 cw(c29.602,51.56) 29.602,54.1 39.55,54.1 cw(c39.55,52.41) 40.745,53.605 41.903,52.447 ccw(c42.5,53.045) v1(42.5,52.2)
"USB D+": R302.2 USB.3 | length 7.7
  Top Layer w0.4: USB.3@14.175,51 14.65,51 15.035,51.066 ccw(c14.85,52.15) 15.893,51.799 15.95,51.97 cw(c16.48,51.97) 16.48,52.5 v1(16.5,52.5)
  Bottom Layer w0.4: v1(16.5,52.5) ccw(c18.914,52.5) 17.207,50.793 R302.2@19.1,48.9
"USB D-": R301.2 USB.2 | length 7.5
  Top Layer w0.4: USB.2@14.175,51.65 14.85,51.65 ccw(c14.85,52.15) 15.35,52.15 15.35,52.35 cw(c16.5,52.35) v1(16.5,53.5)
  Bottom Layer w0.4: v1(16.5,53.5) 16.648,53.5 cw(c16.648,50.96) 18.444,52.756 18.8,52.4 cw(c18.076,51.676) 19.1,51.676 R301.2@19.1,51.05
USBV+: D2.2 USB.1 | length 10.4
  Top Layer w0.4: USB.1@14.175,52.3 13.5,52.3 ccw(c13.5,51.8) 13,51.8 13,48.875 ccw(c14.35,48.875) 14.35,47.525 ccw(c14.35,48.913) 15.332,47.932 D2.2@17.3,49.9
"VD 3.3V": MCU.69 R104.2 R105.1 | length 16.1
  Top Layer w0.254: v1(58.8,20.4) ccw(c58.8,20.535) 58.895,20.439 MCU.69@60.939,22.484
  Top Middle Layer w0.254: v1(58.8,20.4) 61.456,17.744 ccw(c63.252,19.54) 63.252,17 v1(67,17)
  Bottom Layer w0.3: v1(67,17) ccw(c67.604,17.604) 67.604,16.75 R105.1@68.5,16.75 R104.2@68.5,14.75
"VD 5V": MCU.85 R106.2 R107.1 | length 14.6
  Top Layer w0.254: MCU.85@69.071,25.666 v1(71.95,22.787)
  Layer 2 w0.254: v1(70,16.5) 70,19.785 cw(c72.54,19.785) 70.744,21.581 v1(71.95,22.787)
  Bottom Layer w0.3: v1(70,16.5) cw(c70.604,15.896) 70.604,16.75 R107.1@71.5,16.75 R106.2@71.5,14.75
VDDA: C207.2 FB2.1 MCU.31 R201.2 | length 21.7
  Top Layer w0.254: MCU.31@51.393,38.393 54.293,35.494 ccw(c56.089,37.29) 56.089,34.75 v1(61,34.75)
  Bottom Layer w0.254: C207.2@61,36.3 v1(61,34.75) 62.646,33.104 ccw(c63.5,33.957) 63.5,32.75 65,32.75 ccw(c65,33.474) 65.512,32.962 R201.2@66.25,33.7 66.256,33.706 ccw(c64.46,35.502) 67,35.502 FB2.1@67,36.225
"VREF OUT": C208.2 MCU.37 | length 9.5
  Top Layer w0.254: MCU.37@49.626,33.797 50.584,34.756 cw(c52.381,32.96) 52.381,35.5 v1(52.5,35.5)
  Bottom Layer w0.254: v1(52.5,35.5) ccw(c53.466,36.466) 53.466,35.1 55.748,35.1 ccw(c55.748,37.64) 57.544,35.844 C208.2@58,36.3
VREFH: C206.2 MCU.32 R201.1 | length 18.3
  Top Layer w0.254: MCU.32@51.04,38.04 54.736,34.344 ccw(c56.532,36.14) 56.532,33.6 v1(63.45,33.6)
  Bottom Layer w0.254: v1(63.45,33.6) 64.65,33.6 R201.1@64.75,33.7 64.744,33.706 cw(c66.54,35.502) 64,35.502 C206.2@64,36.3
VREFL: C206.1 C207.1 C208.1 FB3.2 MCU.33 MCU.34 | length 15.4
  Top Layer w0.254: MCU.33@50.686,37.686 MCU.34@50.333,37.333 50.894,36.772 ccw(c51.55,37.428) v1(51.55,36.5)
  Bottom Layer w0.254: v1(51.55,36.5) ccw(c52.214,37.164) 52.214,36.225 FB3.2@55,36.225 55.725,36.225 ccw(c55.725,37) 56.5,37 cw(c57.2,37) 57.2,37.7 C208.1@58,37.7 C207.1@61,37.7 C206.1@64,37.7
XTAL32: MCU.40 Y2.1 | length 4.3
  Top Layer w0.254: Y2.1@48.3,31.15 48.15,31.15 cw(c48.15,31.6) 47.7,31.6 cw(c48.1,31.6) 48.1,32 49.5,32 ccw(c49.5,33.086) 50.268,32.318 MCU.40@50.686,32.737
"Y1 A": MCU.72 Y1.1 | length 4.5
  Top Layer w0.254: MCU.72@62,21.423 61.378,20.801 ccw(c61.93,20.25) 61.15,20.25 61.15,19 ccw(c61.8,19) 61.8,18.35 Y1.1@62.55,18.35
"Y1 B": MCU.73 Y1.3 | length 4.5
  Top Layer w0.254: Y1.3@64.25,19.65 cw(c64.35,19.65) 64.35,19.75 65.15,19.75 cw(c65.15,19.5) 65.4,19.5 65.4,19.45 ccw(c65.65,19.45) 65.65,19.2 ccw(c65.65,19.45) 65.9,19.45 65.9,19.75 ccw(c64.448,19.75) 65.475,20.777 MCU.73@64.828,21.423
pads on no net: "CAN0 TRAN.5" "Primary Connector.51" "Primary Connector.52" "Secondary Connector.27" "Secondary Connector.28" ACC.5 ACC.6 ACC.11 BOOT.5 BOOT.11 BOOT.12 BOOT.14 BOOT.15 BOOT.16 BUZZER.1 BUZZER.4 GPS.8 GPS.13 GPS.14 IMU1.1 IMU1.7 IMU1.8 IMU1.10 IMU1.12 IMU1.13 IMU1.14 IMU1.15 IMU1.16 IMU1.21 IMU1.22 IMU1.23 IMU1.24 IMU1.26 IMU1.27 IMU2.1 IMU2.12 IMU2.13 IMU2.16 MCU.12 MCU.15 MCU.22 MCU.23 MCU.24 MCU.25 MCU.26 MCU.27 MCU.28 MCU.35 MCU.36 MCU.82 MCU.95 MCU.96 MUX.6 Q_H1.9 Q_H2.9 Q_H3.9 Q_H4.9 Q_H5.9 Q_H6.9 Q_H7.9 Q_H8.9 Q_H9.9 Q_H10.9 SD.9 SD.10 SD.13 SD.14 USB.4
copper on no net:
  other v4: 20,13.5 160,13.5 90,35 20,56.5 160,56.5

## Polygon pours and split planes (outlines as drawn)
GND on Bottom Layer "GND_L06_P001" (solid, pour order 1): 10.5,56.96 cw(c13.04,56.96) 13.04,59.5 166.96,59.5 cw(c166.96,56.96) 169.5,56.96 169.5,13.04 cw(c166.96,13.04) 166.96,10.5 13.04,10.5 cw(c13.04,13.04) 10.5,13.04 10.5,23.5
GND on Layer 1 "GND_L02_P005" (solid, remove dead copper, pour order 5): 10.5,56.96 cw(c13.04,56.96) 13.04,59.5 166.96,59.5 cw(c166.96,56.96) 169.5,56.96 169.5,13.04 cw(c166.96,13.04) 166.96,10.5 13.04,10.5 cw(c13.04,13.04) 10.5,13.04 10.5,28.5
3.3V on Bottom Middle Layer "3.3V_L04_P006" (solid, remove dead copper, pour order 6): 10.5,56.96 cw(c13.04,56.96) 13.04,59.5 166.96,59.5 cw(c166.96,56.96) 169.5,56.96 169.5,13.04 cw(c166.96,13.04) 166.96,10.5 13.04,10.5 cw(c13.04,13.04) 10.5,13.04 10.5,27.5

## Silkscreen, mask and mechanical layers (free items; w line width, h text height)
Top Overlay:
  drawing of 194 lines, arcs and shapes, not listed
  text "BAT+" at 155.9,25.102 h1.3
  text "GND" at 161,25.016 h1.3
  text "DE" at 51.85,17.3 h1.1
  text "GND" at 58.5,17.264 h1.1
  text "DC" at 51.8,14.764 h1.1
  text "PRG" at 58.5,14.714 h1.1
  text "RST" at 58.5,12.162 h1.1
  text "DD" at 51.7,12.15 h1.1
Bottom Overlay:
  drawing of 336 lines, arcs and shapes, not listed

## Text inside footprints (layer, text, board x,y; h text height)
USB: Mechanical 1 "PCB EDGE" at 10.5,45.3 h1.1 r270